# Altium PCB SDR_wt_PCBlib.PcbDoc (part 1 of 2)
Units mm, origin at the board's own origin, x right, y up, seen from the top; angles counter-clockwise.
Board outline 71.43 x 99.74 mm, 4 copper layers (Top Layer, L2, L3, Bottom Layer), stack 0.896 mm thick; 102 components, 69 nets, 338 pads, 430 vias.
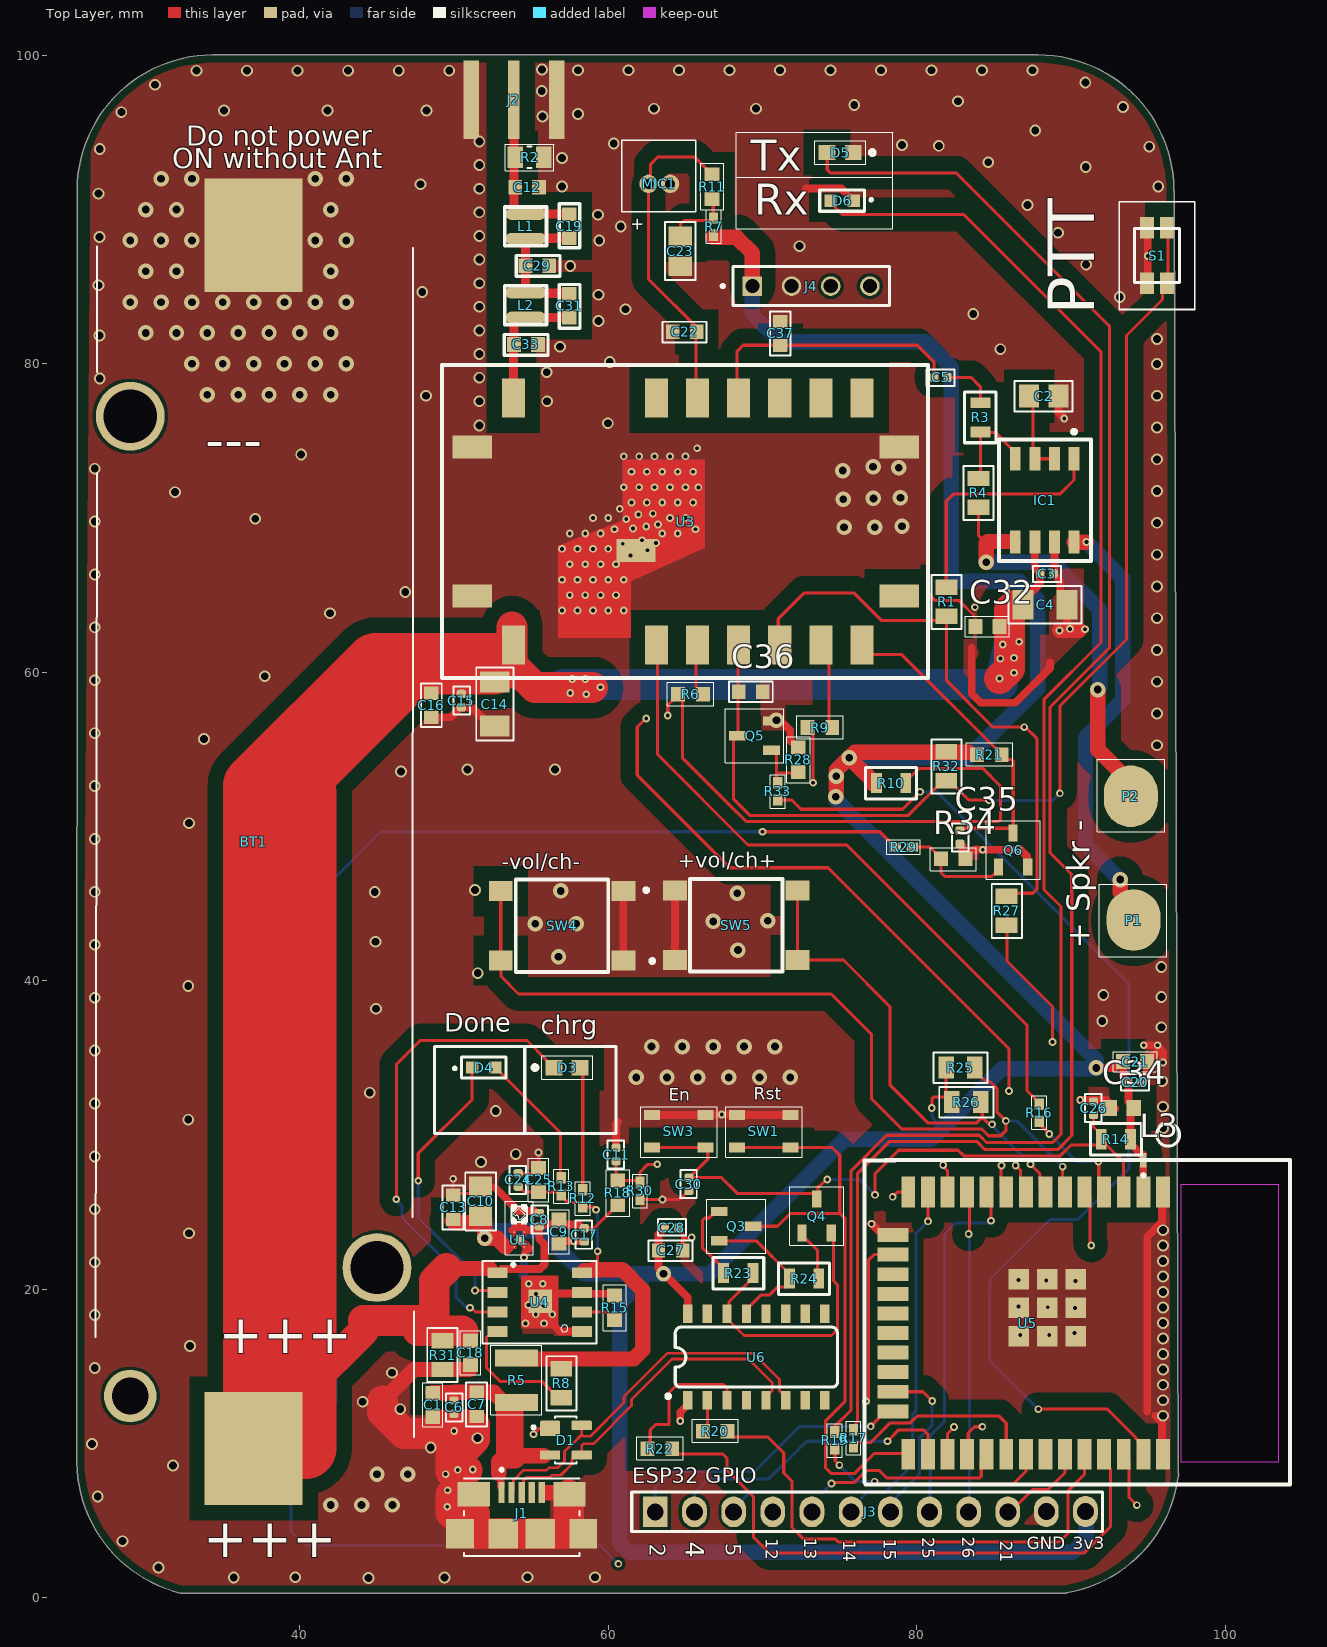
[diagram p0: Top Layer view]
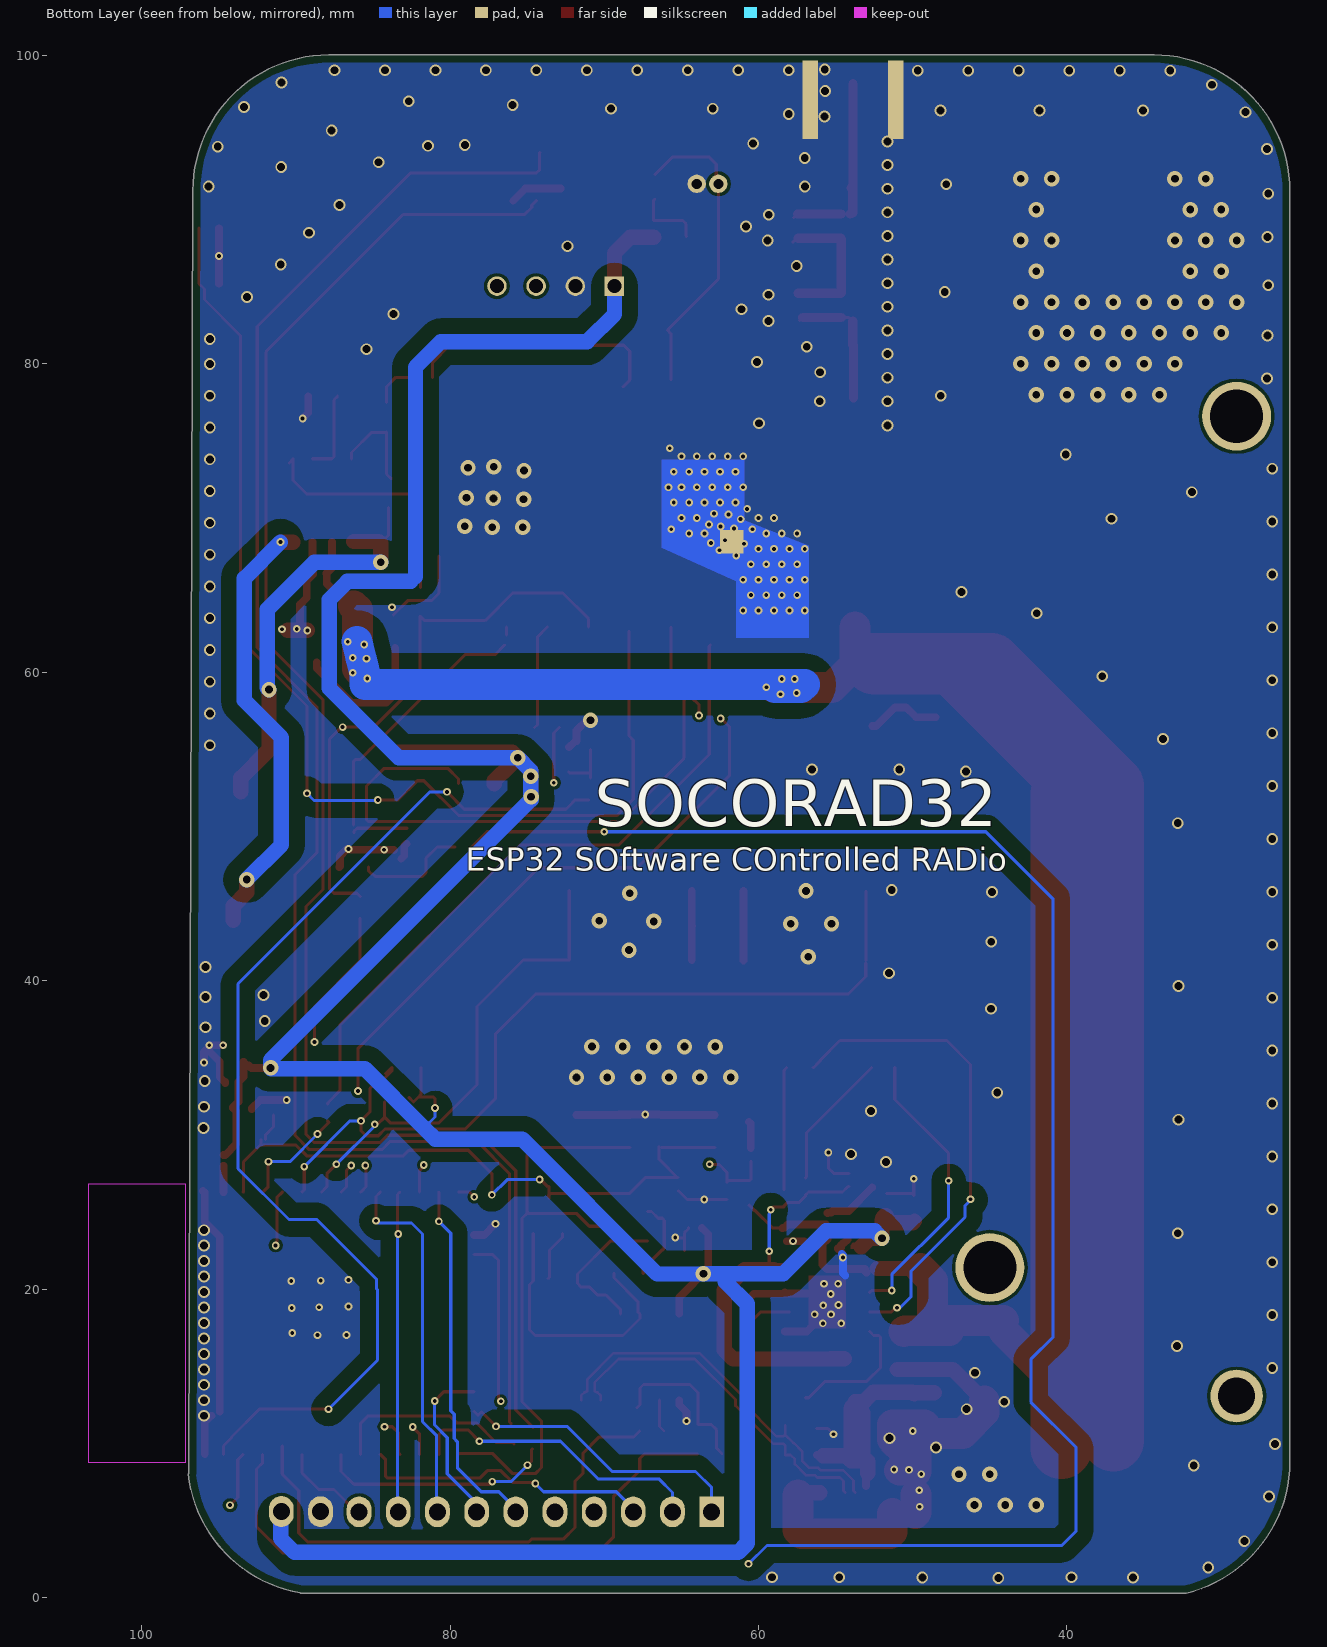
[diagram p1: Bottom Layer view, seen from below]
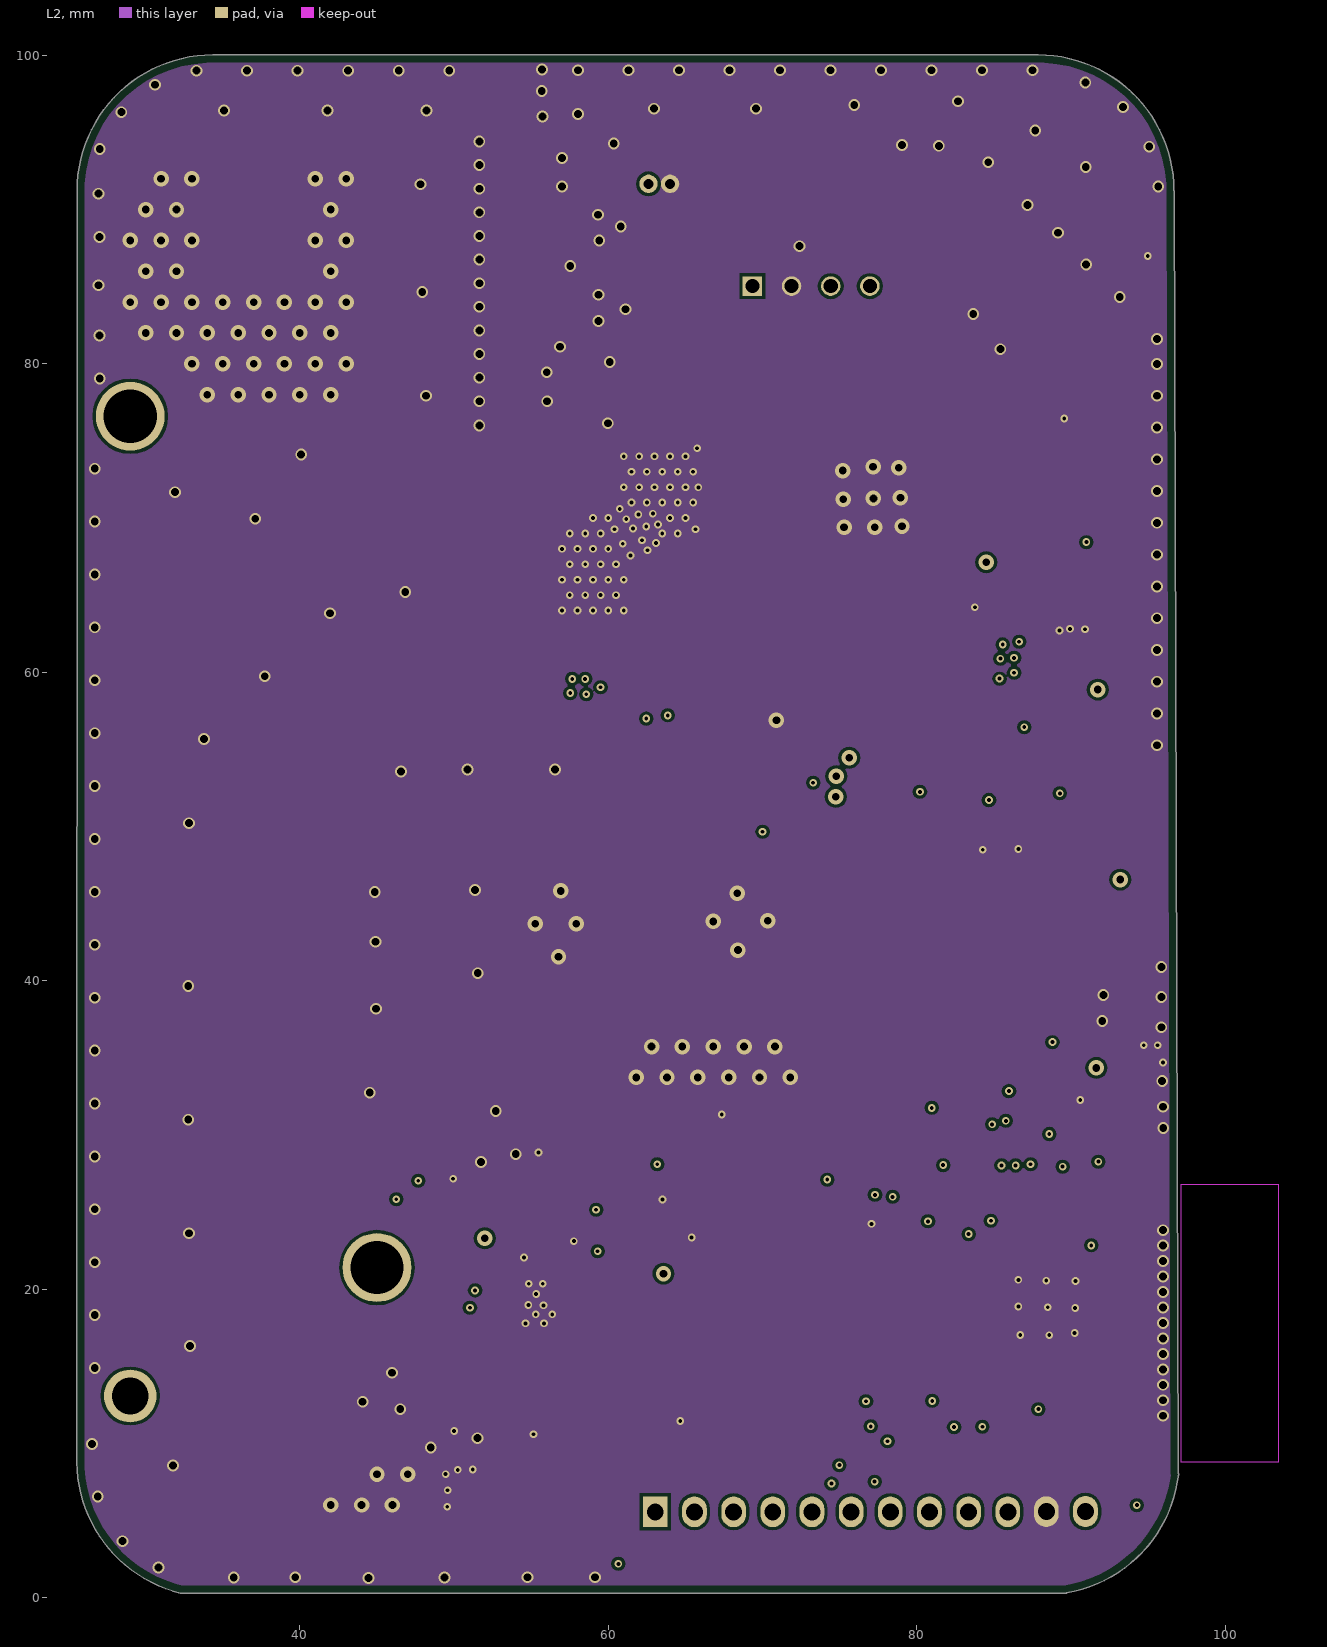
[diagram p2: L2]
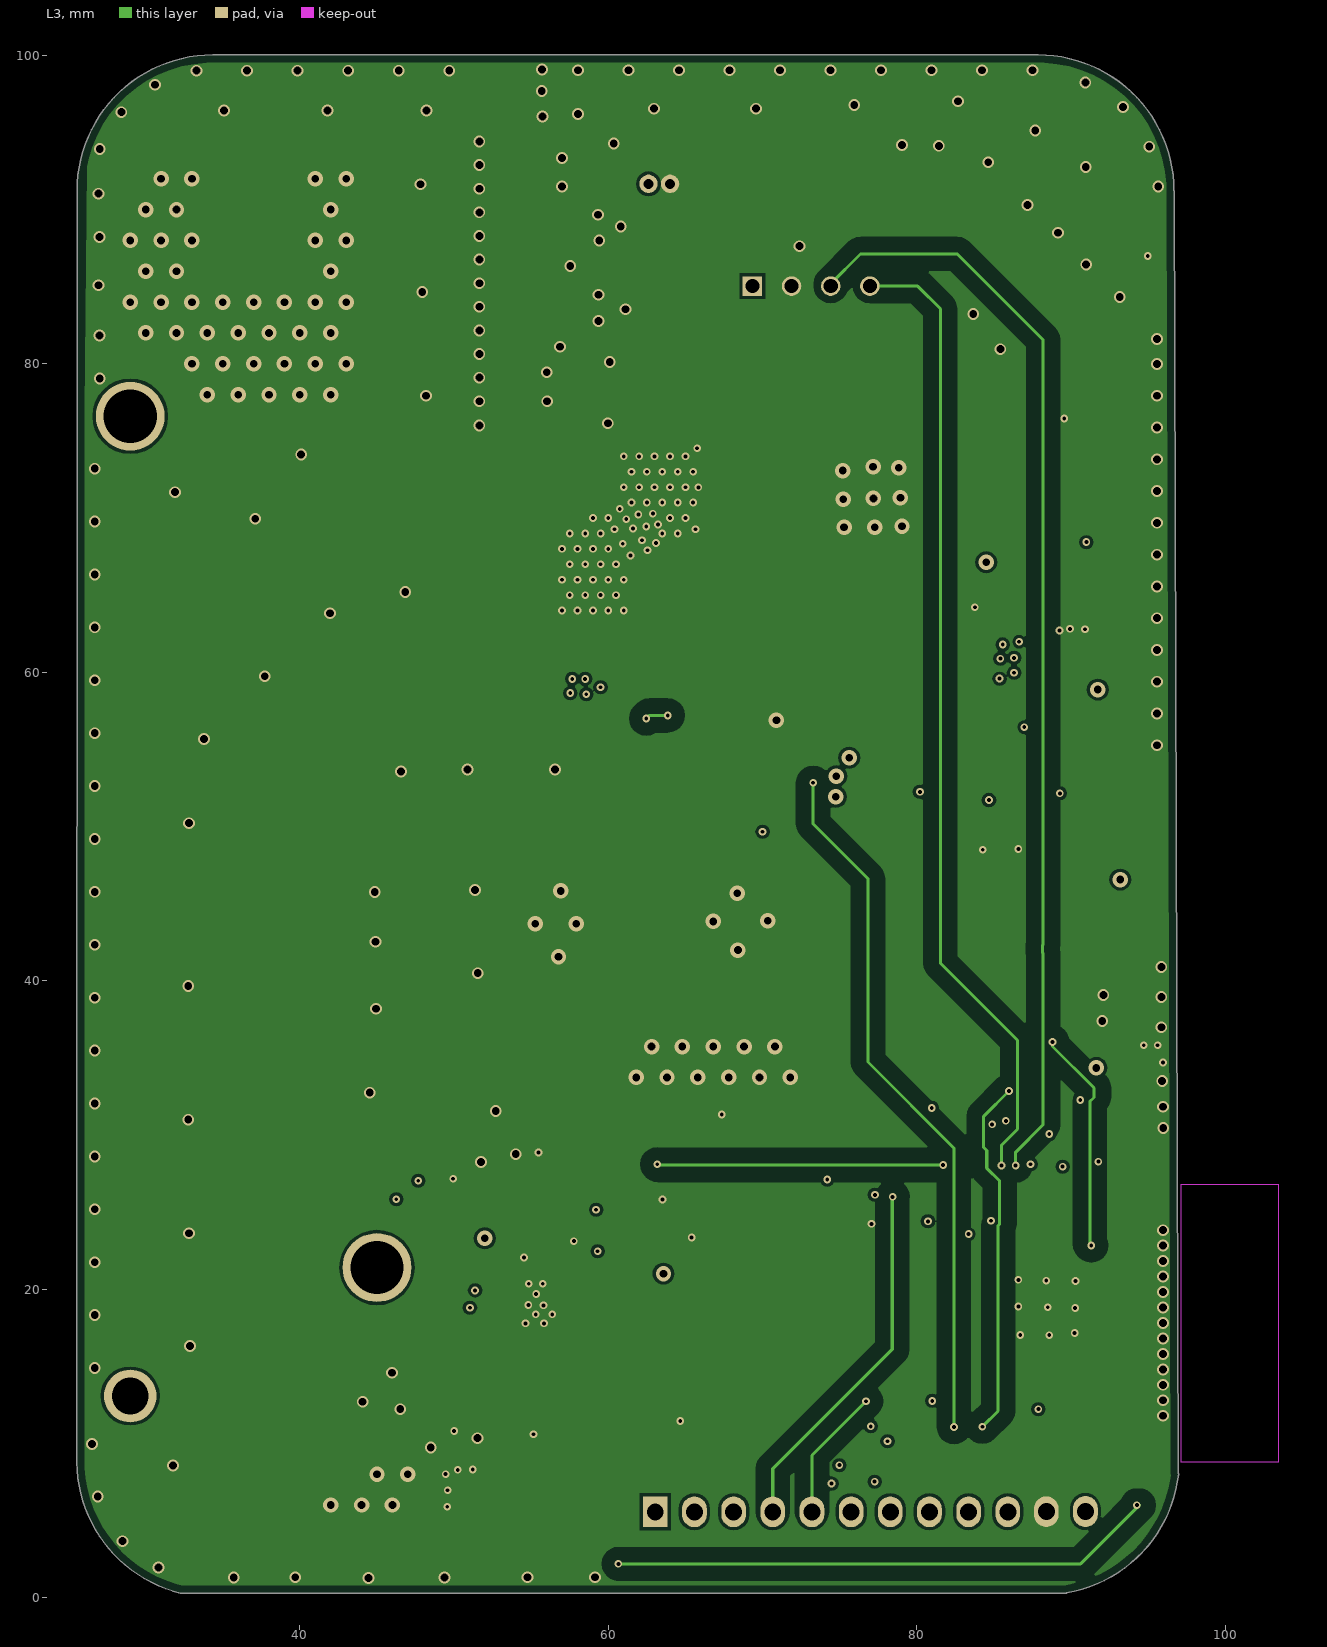
[diagram p3: L3]
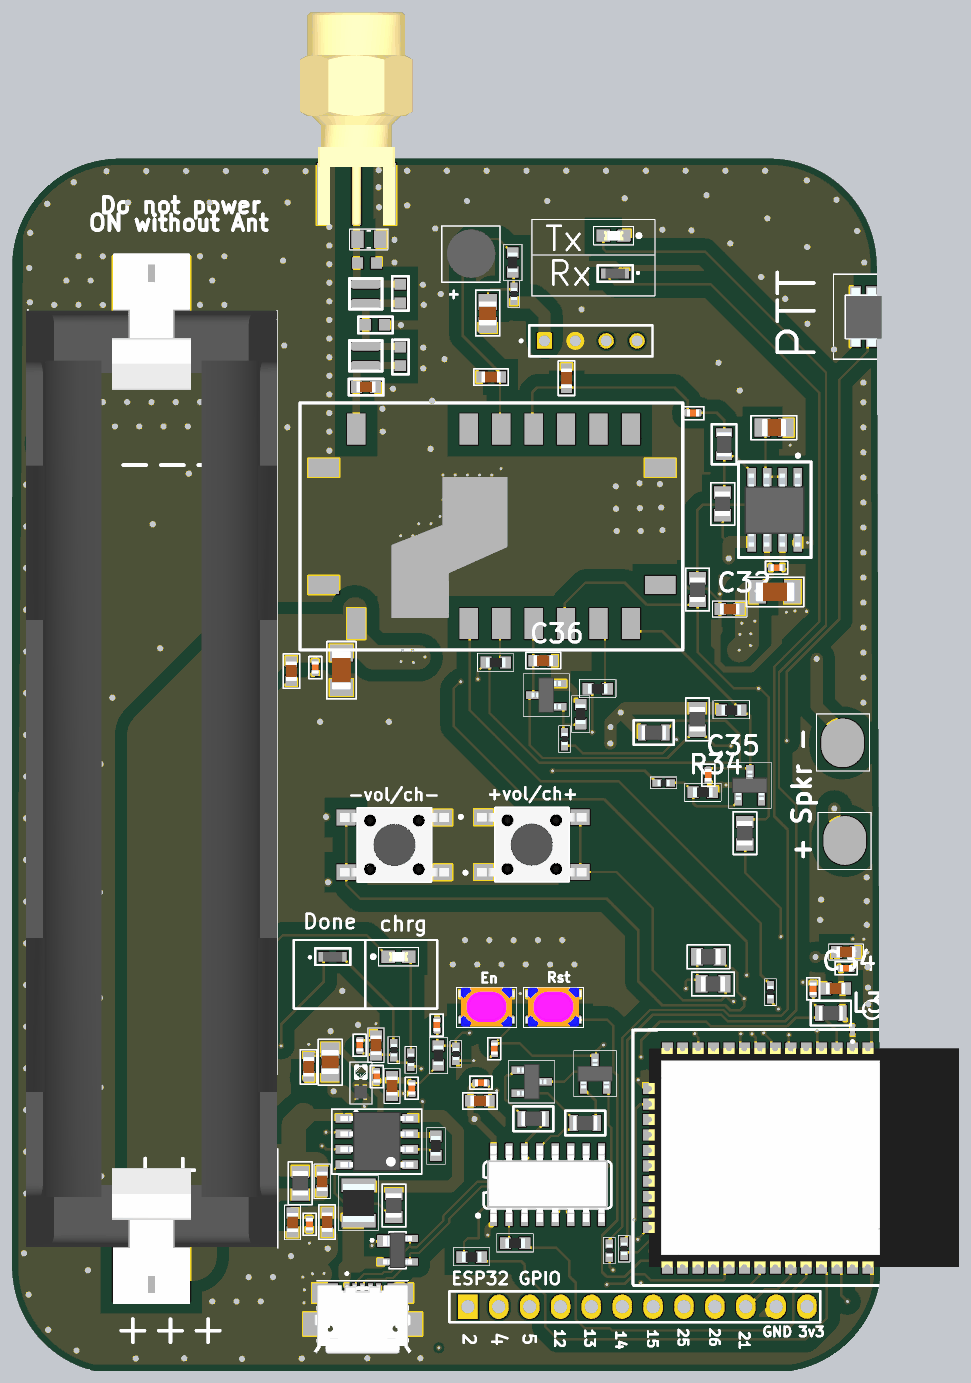
[diagram p5: 3D render of the assembled board from above, using the file's embedded part models]

## Layer stack, top to bottom
Top Solder: solder mask 0.01, Solder Resist, Dk 3.5
Top Layer: signal copper 0.036
Dielectric 2: prepreg 0.114, PP-006, Dk 4.1
L2: signal copper 0.035
Dielectric4: dielectric 0.32, FR-4, Dk 4.8
L3: signal copper 0.035
Dielectric 1: dielectric 0.32, FR-4, Dk 4.8
Bottom Layer: signal copper 0.036
Bottom Solder: solder mask 0.01, Solder Resist, Dk 3.5

## Board outline
25.542,8.763 ccw(c34.35,8.847) 32.259,0.29 89.712,0.29 89.71,0.302 ccw(c88.221,8.985) 96.976,8.014 96.951,8.014 96.686,91.221 96.677,91.221 ccw(c87.868,91.221) 87.87,100.029 87.868,100.03 34.357,100.03 ccw(c34.357,91.221) 25.548,91.222

## Design rules (kind name [scope] priority, off if disabled: settings)
BoardOutlineClearance [All] p1: gap=0.5 ignorepadtopadclearanceinfootprint=FALSE
Clearance [All] p1: gap=0.2 ignorepadtopadclearanceinfootprint=TRUE except(0.02: Arc-SMDPad Track-SMDPad SMDPad-SMDPad; 1: Arc-Fill Arc-Poly Arc-Region Track-Fill Track-Poly Track-Region SMDPad-Fill SMDPad-Poly SMDPad-Region)
ComponentClearance [All] p1: gap=0.2 collisioncheckmode=3 verticalgap=0.2 showdistances=FALSE
HoleSize [All] p1: absolutevalues=TRUE maxlimit=4 minlimit=0.025 maxpercent=80.000 minpercent=20.000
MinimumSolderMaskSliver [All] p1: minsoldermaskwidth=0.1
PlaneClearance [All] p1: clearance=1
PlaneConnect [All] p1: planeconnectstyle=Relief reliefexpansion=0.508 reliefentries=4 reliefconductorwidth=0.254 reliefairgap=0.6
PolygonConnect [All] p1: connectstyle=Direct reliefconductorwidth=0.254 reliefentries=4 polygonreliefangle="90 Angle" airgapwidth=0.254
RoutingVias [All] p1: holewidth=0.25 width=0.5 viastyle="Through Hole" minholewidth=0.25 minwidth=0.5 maxholewidth=0.25 maxwidth=0.5
SilkToSilkClearance [All] p1: silktosilkclearance=0.1
SilkToSolderMaskClearance [IsPad] p1: minsilkscreentomaskgap=0.1 clearancetoexposedcopper=TRUE
SolderMaskExpansion [All] p1: expansion=0.102 istentingtop=FALSE
Width [All] p1: maxlimit=4 minlimit=0.15 preferedwidth=0.2 midlayer1_maxwidth=2 midlayer2_maxwidth=2 bottomlayer_maxwidth=2 minimp=50.000000 maximp=50.000000 favimp=50.000000
23 further rules are at their usual default settings.

## Components (designator, comment, footprint, x,y, rotation, side; value= is the part's Value field where it differs from the comment)
BT1 "1042" BAT_1042 37,49 r270 top
C1 "10uf" CAPC1608X90N#1 48.616,12.497 r270 top
C2 "2.2uf" "2U2 CAP 0805" 88.24,77.902 r0 top
C3 "100nf" CAPC1005X55N 88.443,66.396 r180 top
C4 "220uf" 220UF_3V3 88.316,64.389 r180 top
C5 "100nf" CAPC1005X55N 81.559,79.121 r180 top
C6 "100nf" CAPC1005X55N 49.987,12.344 r270 top
C7 "1nf" "1NF CAP" 51.435,12.522 r90 top
C8 "100nF" CAPC1005X55N 55.524,24.511 r270 top
C9 "10uF" CAPC1608X90N#1 56.794,23.724 r270 top
C10 "2.2uf" "2u2 cap 0805" 51.714,25.705 r90 top
C11 "100nF" CAPC1005X55N 60.503,28.727 r90 top
C12 "NC" CAPC1608X90N#2 54.737,91.44 r0 top value=2pF
C13 "1nf" "1NF CAP" 49.911,25.298 r90 top
C14 "220uf" 220UF_3V3 52.629,57.937 r270 top
C15 "100nf" CAPC1005X55N 50.47,58.166 r270 top
C16 "1nf" "1NF CAP" 48.539,57.861 r270 top
C17 "100nf" CAPC1005X55N 58.445,23.52 r90 top
C18 "10uf" CAPC1608X90N#1 51.054,15.875 r90 top
C19 "2pF" CAPC1608X90N#2 57.477,88.925 r90 top
C20 "100nf" CAPC1005X55N 94.158,33.401 r0 top
C21 "10uf" CAPC1608X90N#1 94.158,34.747 r0 top
C22 "1nf" "1NF CAP" 64.948,82.042 r180 top
C23 "2.2uf" "2U2 CAP 0805" 64.668,87.3 r270 top
C24 "100nf" CAPC1005X55N 54.153,27.076 r90 top
C25 "10uf" CAPC1608X90N#1 55.474,27.076 r90 top
C26 "100nf" CAPC1005X55N 91.465,31.725 r90 top
C27 "1nf" "1NF CAP" 64.033,22.479 r180 top
C28 "100nf" CAPC1005X55N 64.11,23.978 r0 top
C29 "6pF" CAPC1608X90N#2 55.397,86.36 r180 top
C30 "100nf" CAPC1005X55N 65.227,26.797 r90 top
C31 "2p5" CAPC1608X90N#2 57.477,83.767 r90 top
C32 "10uf" CAPC1608X90N#1 84.582,62.967 r0 top
C33 "4pF" CAPC1608X90N#1 54.661,81.255 r0 top
C34 "1uF" CAPC1608X100N 93.294,31.75 r0 top
C35 "100nf" CAPC1005X55N 82.804,49.301 r270 top
C36 "1nf" "1nF CAP" 69.24,58.75 r0 top
C37 "1nf" "1NF CAP" 71.134,81.966 r90 top (schematic designator C22)
D1 "SP0503BAHTG" TVS_SOT143 57.252,10.211 r270 top
D3 "Red" 0603 57.328,34.366 r0 top
D4 "Blue" 19217BHCZL1M2RY3T 51.918,34.366 r180 top
D5 "tx_LED" 0603 75.032,93.701 r180 top
D6 "rx_LED" 19217BHCZL1M2RY3T 75.159,90.576 r0 top
IC1 "ic   Source:  Datasheet" NS8002 88.295,71.145 r270 top
J1 "ZX62-B-5PA(33)" HRS_ZX62-B-5PA(33) 54.381,4.14 r0 top
J2 "CONSMA013.062-G" LINX_CONSMA013.062-G 53.873,99.67 r180 top
J3 "Header_1x10_fml_2.54mm" Header_1x12_fml_2.54mm 63.043,5.563 r90 top
J4 "SL-104-TT-11" SAMTEC_SL-104-TT-11 69.342,85.039 r180 top
L1 "0.35X1.5X4T" 0.35X1.5X4T 55.988,87.655 r90 top
L2 "0.35X1.5X4T" 0.35X1.5X4T 55.988,82.555 r90 top
L3 "LQP03TN2N0C02D" INDC0603X33N 94.691,28.346 r90 top
MIC1 "Through Hole,P=1.4mm Electret Condenser Microphone   Source:  Datasheet" GMI4015P2C42DB 62.608,91.669 r270 top
P1 "Pad" PAD_SPKR 94.056,43.929 r90 top
P2 "Pad" PAD_SPKR 93.878,51.956 r270 top
Q3 "Bipolar Transistors - BJT NPN TRANSISTOR 1.5A 40V   Source:  Datasheet" SOT95P240X115-3N 68.293,24.079 r0 top
Q4 "Bipolar Transistors - BJT NPN TRANSISTOR 1.5A 40V   Source:  Datasheet" SOT95P240X115-3N 73.508,24.74 r90 top
Q5 "Bipolar Transistors - BJT NPN TRANSISTOR 1.5A 40V   Source:  Datasheet" SOT95P240X115-3N 69.487,55.89 r180 top
Q6 "Bipolar Transistors - BJT NPN TRANSISTOR 1.5A 40V   Source:  Datasheet" SOT95P240X115-3N 86.243,48.471 r90 top
R1 "47k" R0805_47K 81.94,64.567 r90 top
R2 "3K3" RESC2012X65N 54.889,93.396 r0 top
R3 "10K" R0805 84.125,76.53 r90 top
R4 "47k" R0805_47K 83.998,71.628 r270 top
R5 "0R33" RESC3126X65N 54.051,14.097 r90 top
R6 "1K2" "RESC1608X55N 1K2" 65.329,58.572 r0 top
R7 "470R" RESC1005X40N 66.827,88.9 r270 top
R8 "47k" R0805_47K 56.947,13.894 r270 top
R9 "1K2" "RESC1608X55N 1K2" 73.724,56.413 r0 top
R10 "10K" R0805 78.334,52.807 r0 top
R11 "1K2" "RESC1608X55N 1K2" 66.726,91.491 r270 top
R12 "470R" RESC1005X40N 58.344,25.883 r270 top
R13 "470R" RESC1005X40N 56.947,26.67 r270 top
R14 "10K" R0805 92.913,29.718 r180 top
R15 "1K2" "RESC1608X55N 1K2" 60.401,18.796 r270 top
R16 "2K" RESC1005X40N 87.935,31.445 r270 top
R17 "470R" RESC1005X40N 75.895,10.338 r90 top
R18 "1k2" "RESC1608X55N 1K2" 60.604,26.238 r270 top
R19 "470R" RESC1005X40N 74.676,10.185 r90 top
R20 "1K2" "RESC1608X55N 1K2" 66.929,10.795 r0 top
R21 "1k2" "RESC1608X55N 1K2" 84.709,54.661 r0 top
R22 "1K2" "RESC1608X55N 1K2" 63.348,9.652 r0 top
R23 "10K" R0805 68.428,21.031 r0 top
R24 "10K" R0805 72.695,20.676 r0 top
R25 "47k" R0805_47K 82.834,34.366 r180 top
R26 "47k" R0805_47K 83.21,32.131 r180 top
R27 "47k" R0805_47K 85.827,44.526 r270 top
R28 "1k2" "RESC1608X55N 1K2" 72.314,54.331 r270 top
R29 "2K" RESC1005X40N 79.146,48.666 r0 top
R30 "2K" RESC1005X40N 62.052,26.365 r90 top
R31 "47k" R0805_47K 49.251,15.723 r90 top
R32 "47k" R0805_47K 81.915,53.899 r270 top
R33 "2K" RESC1005X40N 70.993,52.273 r270 top
R34 "1k2" "RESC1608X55N 1K2" 82.372,47.904 r180 top
S1 "Black Button Tactile Switch, SPST-NO 50 mA 0.65mm Surface Mount   Source:  Datasheet" SKSCLAE010 95.58,87.02 r270 top
SW1 "SKRPABE010" SKRPABE010 72.316,31.585 r180 top
SW3 "SKRPABE010" SKRPABE010 66.806,31.585 r180 top
SW4 "C & K COMPONENTS - PTS645SM43SMTR92LFS - SWITCH, SPST, 0.05A, 12VDC, SMD, 4.3MM   Source:  Datasheet" PTS645(SMT) 56.998,43.561 r180 top
SW5 "C & K COMPONENTS - PTS645SM43SMTR92LFS - SWITCH, SPST, 0.05A, 12VDC, SMD, 4.3MM   Source:  Datasheet" PTS645(SMT) 68.301,43.586 r0 top
U1 "NCP167AMX300TBG" REG_NCP167BMX330TBG 54.229,23.216 r90 top
U3 "SR_FRS_2WUS" SR_FRS_2WUS 73.101,49.962 r90 top
U4 "USB_charger" TP4056 55.55,19.152 r180 top
U5 "ESP32" "ESP32 FOOT" 87.207,17.79 r270 top
U6 "CH340C" SO016 69.596,15.596 r0 top
